# KiCad board SPCInterfaceBoard-v01.kicad_pcb
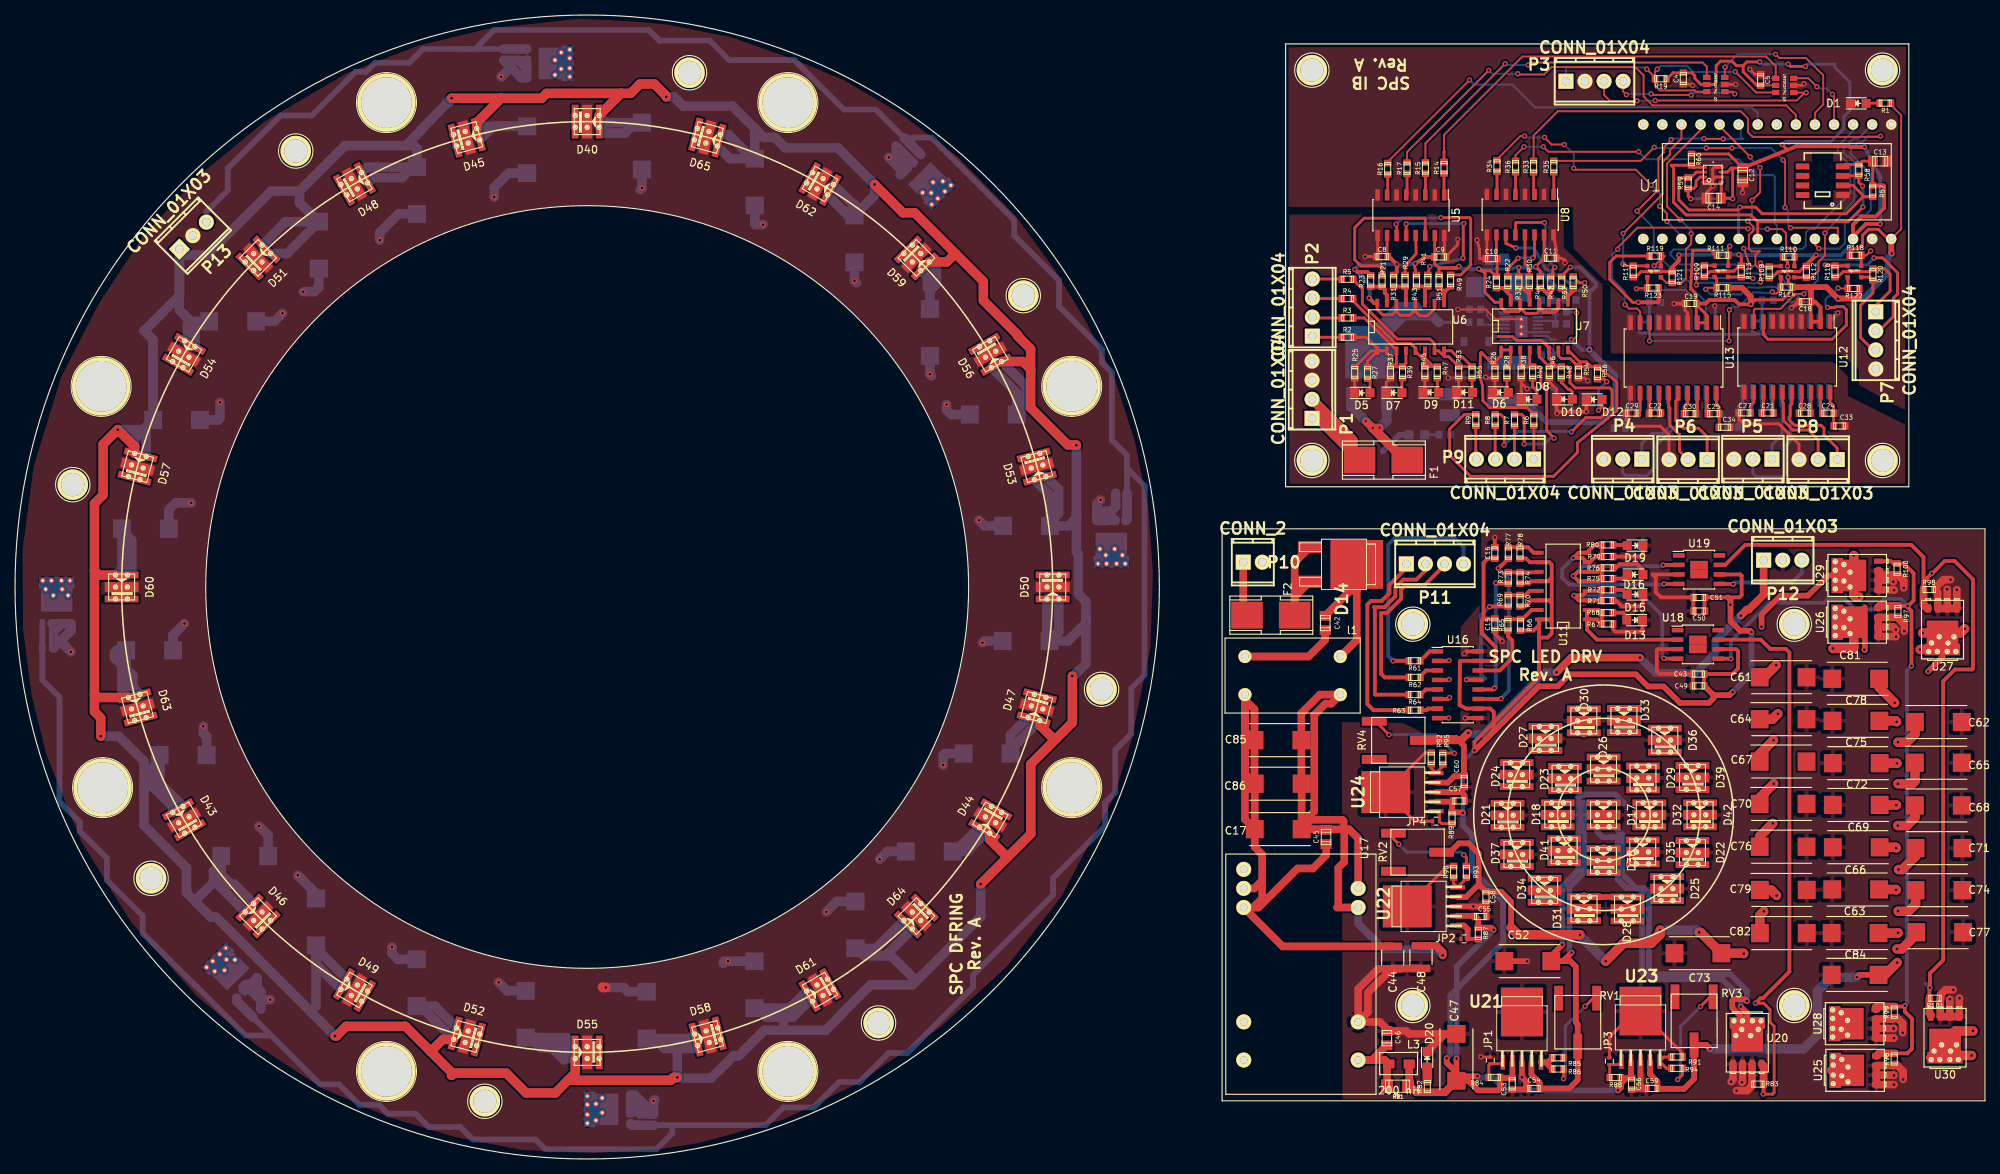
[diagram p0: board, top side]
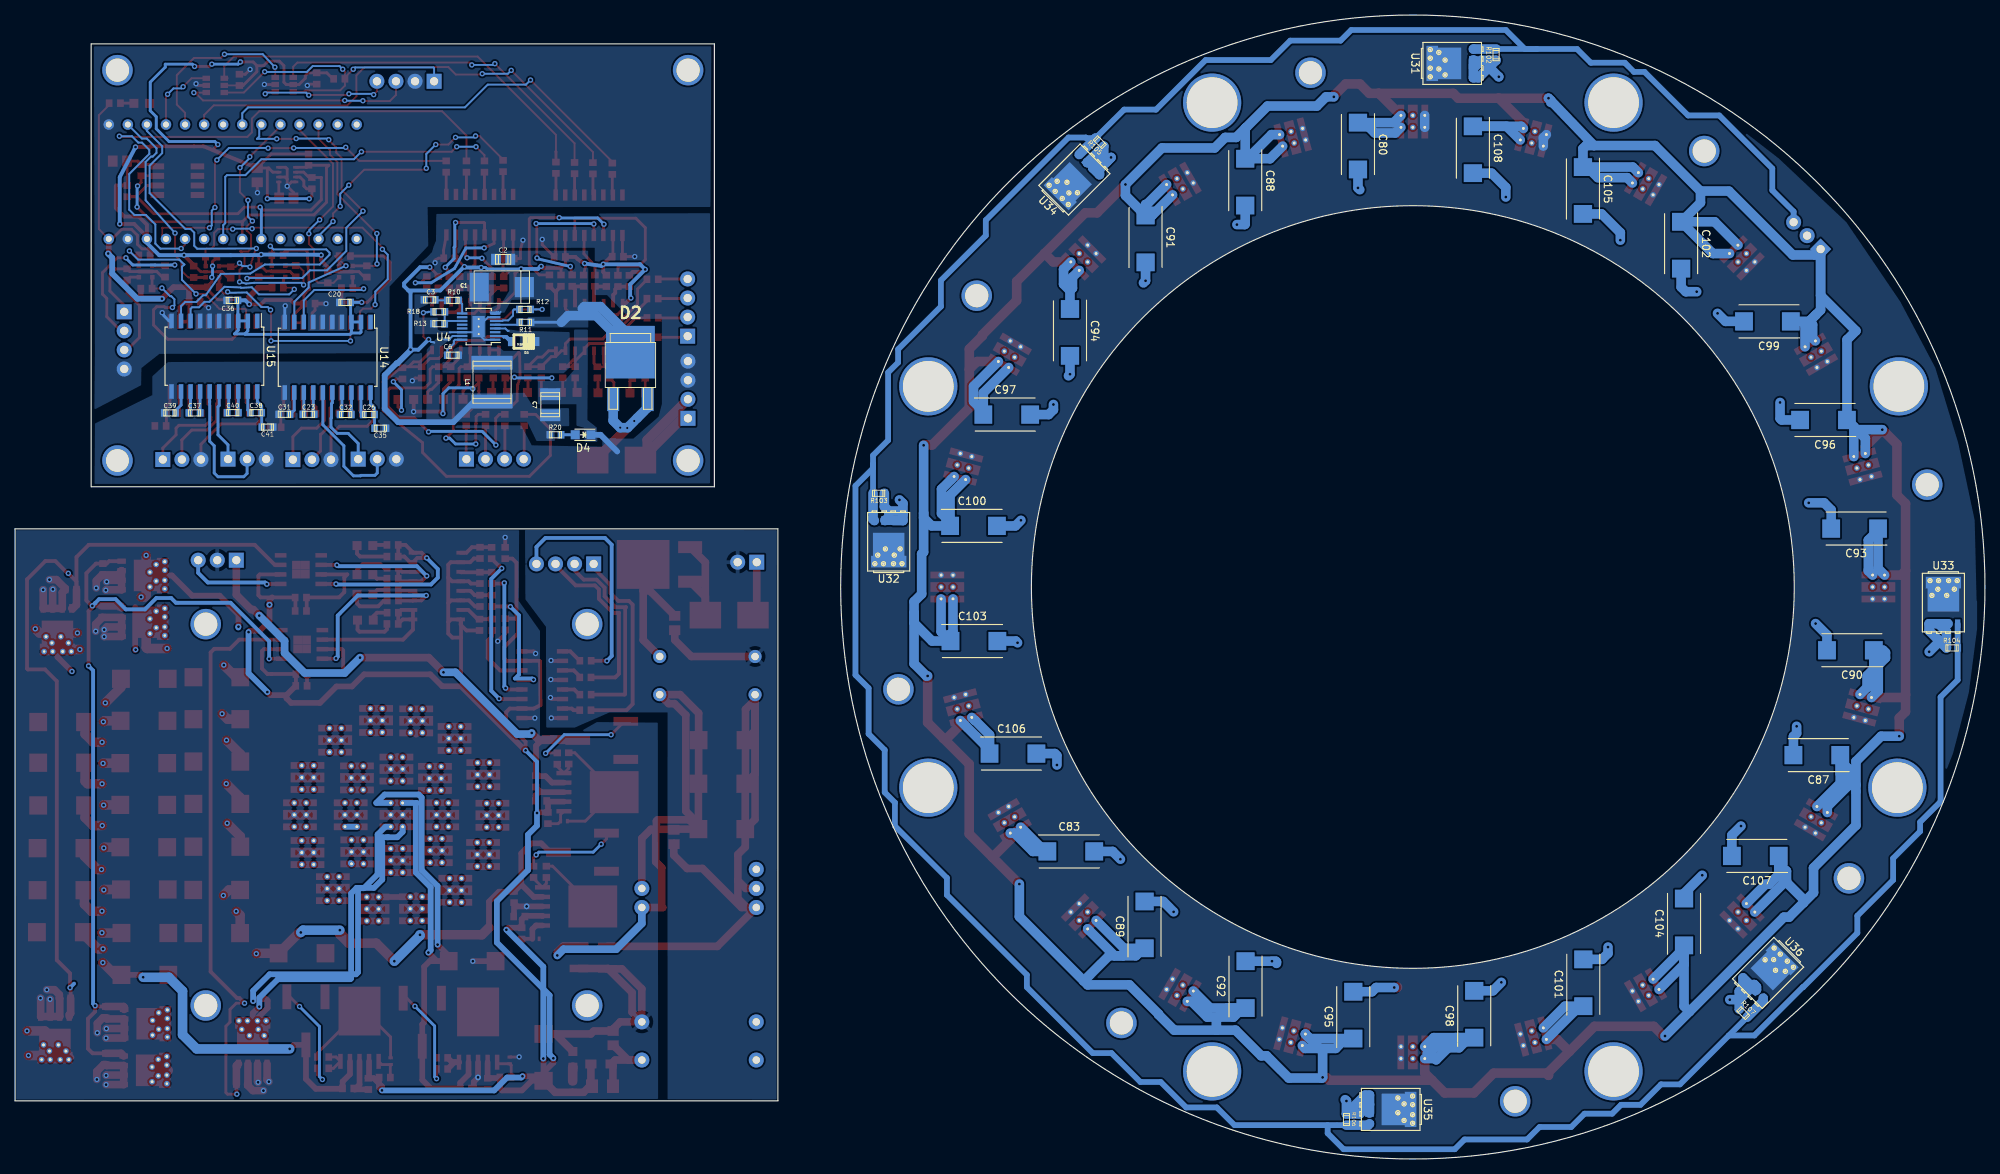
[diagram p1: board, bottom side, seen from below]

Outline 262.36 x 152.4 mm; copper layers: Top, In1.Cu, In2.Cu, Bottom. Coordinates in mm from the lower left corner of the outline.
Outline path: circle c76.2,76.2 r50.8 ; circle c76.2,76.2 r76.2 ; 160.76,83.95 262.36,83.95 262.36,7.75 160.76,7.75 160.76,83.95 ; 169.22,89.55 169.22,148.55 252.22,148.55 252.22,89.55 169.22,89.55

## Placement (name value [footprint] x y rotation side)
C1  22 uF  [c_tant_X]  197.53 116.15 180 bottom
C2  2.2 uF  [c_0805]  197.35 119.85 180 bottom
C3  470 pF  [c_0603]  207.15 114.45 180 bottom
C4  0.1 uF 25V  [c_0603]  222.18 143.94 90 top
C5  0.1 uF 25V  [c_0603]  232.47 143.75 270 top
C6  0.22 uF  [c_0603]  204.04 107.08 180 bottom
C7  10 uF  [c_1210]  191.08 100.48 270 bottom
C8  0.1 uF 25V  [c_0603]  182.08 120.21 0 top
C9  0.1 uF 25V  [c_0603]  189.81 120.17 0 top
C10  0.1 uF 25V  [c_0603]  196.63 119.94 0 top
C11  0.1 uF 25V  [c_0603]  204.51 120.01 0 top
C12  100nF 50V X7R  [c_0805]  230.1 131.06 270 top
C13  100nF 50V X7R  [c_0805]  248.39 132.93 0 top
C14  100nF 50V X7R  [c_0805]  226.23 128 180 top
C15  0.1 uF 25V  [c_0603]  197.08 71.23 90 top
C16  0.1 uF 25V  [c_0603]  197.08 80.73 90 top
C17  15uF 63V Tant  [TantalC_SizeD_EIA-7343_Reflow]  168.23 43.94 180 top
C18  0.1 uF 25V  [c_0603]  238.44 114.2 180 top
C19  0.1 uF 25V  [c_0603]  223.16 113.96 180 top
C20  0.1 uF 25V  [c_0603]  218.41 114.12 0 bottom
C21  0.1 uF 25V  [c_0603]  233.43 99.38 0 top
C22  0.1 uF 25V  [c_0603]  218.45 99.37 0 top
C23  0.1 uF 25V  [c_0603]  223.27 99.21 180 bottom
C24  0.1 uF 25V  [c_0603]  241.45 99.36 0 top
C25  0.1 uF 25V  [c_0603]  226.21 99.29 0 top
C26  0.1 uF 25V  [c_0603]  215.23 99.18 180 bottom
C27  0.1 uF 25V  [c_0603]  230.37 99.39 0 top
C28  0.1 uF 25V  [c_0603]  238.34 99.36 0 top
C29  0.1 uF 25V  [c_0603]  215.34 99.37 0 top
C30  0.1 uF 25V  [c_0603]  223.04 99.29 0 top
C31  0.1 uF 25V  [c_0603]  226.48 99.21 180 bottom
C32  0.1 uF 25V  [c_0603]  218.32 99.18 180 bottom
C33  0.1 uF 25V  [c_0603]  242.99 97.65 180 top
C34  0.1 uF 25V  [c_0603]  227.68 97.48 180 top
C35  0.1 uF 25V  [c_0603]  213.71 97.35 0 bottom
C36  0.1 uF 25V  [c_0603]  233.42 114.38 0 bottom
C37  0.1 uF 25V  [c_0603]  238.45 99.4 180 bottom
C38  0.1 uF 25V  [c_0603]  230.26 99.42 180 bottom
C39  0.1 uF 25V  [c_0603]  241.73 99.4 180 bottom
C40  0.1 uF 25V  [c_0603]  233.36 99.42 180 bottom
C41  0.1 uF 25V  [c_0603]  228.73 97.5 0 bottom
C42  1 uF 100V  [c_0805]  174.5 71.4 270 top
C43  4.7 uF 10V  [c_0603]  224.2 64.6 180 top
C44  10 nF Ceramic  [C_1210]  183.48 26.82 270 top
C45  1 uF 100V  [c_0805]  174.6 42.9 270 top
C46  1uF Ceramic  [c_0805]  182.7 16.1 270 top
C47  220uF 10V Tant  [TantalC_SizeD_EIA-7343_Reflow]  191.96 13.54 90 top
C48  10 nF Ceramic  [C_1210]  187.25 26.88 270 top
C49  0.1 uF 25V  [c_0603]  224.22 63.03 0 top
C50  4.7 uF 10V  [c_0603]  224.3 73 180 top
C51  0.1 uF 25V  [c_0603]  224.3 74.8 0 top
C52  330 uF 10V  [TantalC_SizeD_EIA-7343_Reflow]  201.47 26.36 180 top
C53  4.7 uF 10V  [c_0603]  199.4 10 270 top
C54  1uF 10V  [c_0603]  202.3 9.4 180 top
C55  4.7 uF 10V  [c_0603]  195.2 32.3 0 top
C56  4.7 uF 10V  [c_0603]  215.3 10 270 top
C57  4.7 uF 10V  [c_0603]  192.3 47.7 0 top
C58  1uF 10V  [c_0603]  195.9 34.9 270 top
C59  1uF 10V  [c_0603]  218 9.4 180 top
C60  1uF 10V  [c_0603]  193 50.3 270 top
C61  330 uF 10V  [TantalC_SizeD_EIA-7343_Reflow]  235.48 64.18 0 top
C62  330 uF 10V  [TantalC_SizeD_EIA-7343_Reflow]  256.15 58.21 0 top
C63  330 uF 10V  [TantalC_SizeD_EIA-7343_Reflow]  245.06 30.1 180 top
C64  330 uF 10V  [TantalC_SizeD_EIA-7343_Reflow]  235.48 58.59 0 top
C65  330 uF 10V  [TantalC_SizeD_EIA-7343_Reflow]  256.15 52.79 0 top
C66  330 uF 10V  [TantalC_SizeD_EIA-7343_Reflow]  245.14 35.91 180 top
C67  330 uF 10V  [TantalC_SizeD_EIA-7343_Reflow]  235.48 52.95 0 top
C68  330 uF 10V  [TantalC_SizeD_EIA-7343_Reflow]  256.15 47.1 0 top
C69  330 uF 10V  [TantalC_SizeD_EIA-7343_Reflow]  245.21 41.53 180 top
C70  330 uF 10V  [TantalC_SizeD_EIA-7343_Reflow]  235.48 47.3 0 top
C71  330 uF 10V  [TantalC_SizeD_EIA-7343_Reflow]  256.23 41.41 0 top
C72  330 uF 10V  [TantalC_SizeD_EIA-7343_Reflow]  245.21 47.17 180 top
C73  330 uF 10V  [TantalC_SizeD_EIA-7343_Reflow]  224.13 27.41 180 top
C74  330 uF 10V  [TantalC_SizeD_EIA-7343_Reflow]  256.23 35.81 0 top
C75  330 uF 10V  [TantalC_SizeD_EIA-7343_Reflow]  245.21 52.73 180 top
C76  330 uF 10V  [TantalC_SizeD_EIA-7343_Reflow]  235.48 41.6 0 top
C77  330 uF 10V  [TantalC_SizeD_EIA-7343_Reflow]  256.33 30.21 0 top
C78  330 uF 10V  [TantalC_SizeD_EIA-7343_Reflow]  245.17 58.37 180 top
C79  330 uF 10V  [TantalC_SizeD_EIA-7343_Reflow]  235.5 35.84 0 top
C80  330 uF 10V  [TantalC_SizeD_EIA-7343_Reflow]  83.51 134.95 270 bottom
C81  330 uF 10V  [TantalC_SizeD_EIA-7343_Reflow]  245.14 63.97 180 top
C82  330 uF 10V  [TantalC_SizeD_EIA-7343_Reflow]  235.5 30.09 0 top
C83  330 uF 10V  [TantalC_SizeD_EIA-7343_Reflow]  121.75 40.97 180 bottom
C84  330 uF 10V  [TantalC_SizeD_EIA-7343_Reflow]  245.06 24.53 180 top
C85  15uF 63V Tant  [TantalC_SizeD_EIA-7343_Reflow]  168.2 55.8 180 top
C86  15uF 63V Tant  [TantalC_SizeD_EIA-7343_Reflow]  168.23 49.99 180 top
C87  330 uF 10V  [TantalC_SizeD_EIA-7343_Reflow]  22.39 53.8 0 bottom
C88  330 uF 10V  [TantalC_SizeD_EIA-7343_Reflow]  98.52 130.13 270 bottom
C89  330 uF 10V  [TantalC_SizeD_EIA-7343_Reflow]  111.93 31.19 90 bottom
C90  330 uF 10V  [TantalC_SizeD_EIA-7343_Reflow]  17.92 67.77 0 bottom
C91  330 uF 10V  [TantalC_SizeD_EIA-7343_Reflow]  111.8 122.57 270 bottom
C92  330 uF 10V  [TantalC_SizeD_EIA-7343_Reflow]  98.48 23.23 90 bottom
C93  330 uF 10V  [TantalC_SizeD_EIA-7343_Reflow]  17.36 83.98 0 bottom
C94  330 uF 10V  [TantalC_SizeD_EIA-7343_Reflow]  121.86 110.11 270 bottom
C95  330 uF 10V  [TantalC_SizeD_EIA-7343_Reflow]  84.13 19.16 90 bottom
C96  330 uF 10V  [TantalC_SizeD_EIA-7343_Reflow]  21.5 98.45 0 bottom
C97  330 uF 10V  [TantalC_SizeD_EIA-7343_Reflow]  130.28 99.17 180 bottom
C98  330 uF 10V  [TantalC_SizeD_EIA-7343_Reflow]  68.02 19.28 90 bottom
C99  330 uF 10V  [TantalC_SizeD_EIA-7343_Reflow]  28.98 111.59 0 bottom
C100  330 uF 10V  [TantalC_SizeD_EIA-7343_Reflow]  134.71 84.34 180 bottom
C101  330 uF 10V  [TantalC_SizeD_EIA-7343_Reflow]  53.49 23.47 90 bottom
C102  330 uF 10V  [TantalC_SizeD_EIA-7343_Reflow]  40.47 121.74 270 bottom
C103  330 uF 10V  [TantalC_SizeD_EIA-7343_Reflow]  134.65 69 180 bottom
C104  330 uF 10V  [TantalC_SizeD_EIA-7343_Reflow]  40.08 31.58 90 bottom
C105  330 uF 10V  [TantalC_SizeD_EIA-7343_Reflow]  53.54 129.02 270 bottom
C106  330 uF 10V  [TantalC_SizeD_EIA-7343_Reflow]  129.45 54.01 180 bottom
C107  330 uF 10V  [TantalC_SizeD_EIA-7343_Reflow]  30.59 40.37 0 bottom
C108  330 uF 10V  [TantalC_SizeD_EIA-7343_Reflow]  68.2 134.45 270 bottom
D1  2 mA Blue  [LED_0805]  245.48 140.63 0 top
D2  SCHDPAK  [d-pak]  180.4 104.36 180 bottom
D3  MBR140  [SOD-123FL]  194.61 108.9 0 bottom
D4  2 mA Grn  [LED_0805]  186.7 96.48 0 bottom
D5  2 mA Org  [LED_0805]  179.41 102.06 0 top
D6  2 mA Org  [LED_0805]  197.83 102.12 0 top
D7  2 mA Org  [LED_0805]  183.66 102.07 0 top
D8  2 mA Org  [LED_0805]  201.64 101.21 0 top
D9  2 mA Org  [LED_0805]  188.56 102.12 0 top
D10  2 mA Org  [LED_0805]  206.35 101.21 0 top
D11  2 mA Org  [LED_0805]  193.06 102.12 0 top
D12  2 mA Org  [LED_0805]  210.31 101.18 0 top
D13  2 mA Org  [LED_0805]  215.7 71.79 180 top
D14  SCHDPAK  [d-pak]  175.57 79.21 270 top
D15  2 mA Org  [LED_0805]  215.76 75.22 180 top
D16  2 mA Org  [LED_0805]  215.76 77.85 0 top
D17  Cree_XP-L_HI  [Cree_XP-L_HI-vias-4]  211.56 45.85 90 top
D18  Cree_XP-L_HI  [Cree_XP-L_HI-vias-4]  205.46 45.85 90 top
D19  2 mA Org  [LED_0805]  215.76 81.72 180 top
D20  2 mA Blue  [LED_0805]  188.06 13.27 270 top
D21  Cree_XP-L_HI  [Cree_XP-L_HI-vias-4]  198.77 45.79 90 top
D22  Cree_XP-L_HI  [Cree_XP-L_HI-vias-4]  223.41 40.82 90 top
D23  Cree_XP-L_HI  [Cree_XP-L_HI-vias-4]  206.43 50.7 90 top
D24  Cree_XP-L_HI  [Cree_XP-L_HI-vias-4]  199.99 51.2 90 top
D25  Cree_XP-L_HI  [Cree_XP-L_HI-vias-4]  220.03 36.01 90 top
D26  Cree_XP-L_HI  [Cree_XP-L_HI-vias-4]  211.56 51.95 90 top
D27  Cree_XP-L_HI  [Cree_XP-L_HI-vias-4]  203.82 56.02 90 top
D28  Cree_XP-L_HI  [Cree_XP-L_HI-vias-4]  214.74 33.31 90 top
D29  Cree_XP-L_HI  [Cree_XP-L_HI-vias-4]  216.82 50.76 90 top
D30  Cree_XP-L_HI  [Cree_XP-L_HI-vias-4]  208.93 58.37 90 top
D31  Cree_XP-L_HI  [Cree_XP-L_HI-vias-4]  208.96 33.33 90 top
D32  Cree_XP-L_HI  [Cree_XP-L_HI-vias-4]  217.65 45.85 90 top
D33  Cree_XP-L_HI  [Cree_XP-L_HI-vias-4]  214.27 58.42 90 top
D34  Cree_XP-L_HI  [Cree_XP-L_HI-vias-4]  203.72 35.79 90 top
D35  Cree_XP-L_HI  [Cree_XP-L_HI-vias-4]  216.78 40.91 90 top
D36  Cree_XP-L_HI  [Cree_XP-L_HI-vias-4]  219.72 55.8 90 top
D37  Cree_XP-L_HI  [Cree_XP-L_HI-vias-4]  200.03 40.57 90 top
D38  Cree_XP-L_HI  [Cree_XP-L_HI-vias-4]  211.56 39.75 90 top
D39  Cree_XP-L_HI  [Cree_XP-L_HI-vias-4]  223.41 50.82 90 top
D40  Cree_XP-L_HI  [Cree_XP-L_HI-vias-4]  76.2 138.2 0 top
D41  Cree_XP-L_HI  [Cree_XP-L_HI-vias-4]  206.31 41.07 90 top
D42  Cree_XP-L_HI  [Cree_XP-L_HI-vias-4]  224.41 45.85 90 top
D43  Cree_XP-L_HI  [Cree_XP-L_HI-vias-4]  22.51 45.2 120 top
D44  Cree_XP-L_HI  [Cree_XP-L_HI-vias-4]  129.89 45.2 240 top
D45  Cree_XP-L_HI  [Cree_XP-L_HI-vias-4]  60.16 136.08 15 top
D46  Cree_XP-L_HI  [Cree_XP-L_HI-vias-4]  32.36 32.36 135 top
D47  Cree_XP-L_HI  [Cree_XP-L_HI-vias-4]  136.08 60.16 255 top
D48  Cree_XP-L_HI  [Cree_XP-L_HI-vias-4]  45.2 129.89 30 top
D49  Cree_XP-L_HI  [Cree_XP-L_HI-vias-4]  45.2 22.51 150 top
D50  Cree_XP-L_HI  [Cree_XP-L_HI-vias-4]  138.2 76.2 270 top
D51  Cree_XP-L_HI  [Cree_XP-L_HI-vias-4]  32.36 120.04 45 top
D52  Cree_XP-L_HI  [Cree_XP-L_HI-vias-4]  60.16 16.32 165 top
D53  Cree_XP-L_HI  [Cree_XP-L_HI-vias-4]  136.08 92.24 285 top
D54  Cree_XP-L_HI  [Cree_XP-L_HI-vias-4]  22.51 107.2 60 top
D55  Cree_XP-L_HI  [Cree_XP-L_HI-vias-4]  76.2 14.2 180 top
D56  Cree_XP-L_HI  [Cree_XP-L_HI-vias-4]  129.89 107.2 300 top
D57  Cree_XP-L_HI  [Cree_XP-L_HI-vias-4]  16.32 92.24 75 top
D58  Cree_XP-L_HI  [Cree_XP-L_HI-vias-4]  92.24 16.32 195 top
D59  Cree_XP-L_HI  [Cree_XP-L_HI-vias-4]  120.04 120.04 315 top
D60  Cree_XP-L_HI  [Cree_XP-L_HI-vias-4]  14.2 76.2 90 top
D61  Cree_XP-L_HI  [Cree_XP-L_HI-vias-4]  107.2 22.51 210 top
D62  Cree_XP-L_HI  [Cree_XP-L_HI-vias-4]  107.2 129.89 330 top
D63  Cree_XP-L_HI  [Cree_XP-L_HI-vias-4]  16.32 60.16 105 top
D64  Cree_XP-L_HI  [Cree_XP-L_HI-vias-4]  120.04 32.36 225 top
D65  Cree_XP-L_HI  [Cree_XP-L_HI-vias-4]  92.2 136.08 345 top
F1  FUSE  [Fuse_SMD]  182.24 93.11 90 top
F2  10A  [Fuse_SMD]  167.25 72.45 90 top
JP1  Jumper_NO_Small  [R_0402]  196.47 13.13 270 top
JP2  Jumper_NO_Small  [R_0402]  193.01 29.33 0 top
JP3  Jumper_NO_Small  [R_0402]  212.34 13.03 270 top
JP4  Jumper_NO_Small  [R_0402]  189.25 45.01 0 top
l1  -  [51105C]  170.15 64.4 0 top
L1  10uH  [c_2220]  198.83 103.49 90 bottom
L3  200 nH  [IHLP-1212BZ-11]  184.32 12.66 0 top
NOREF  -  [1pin]  248.72 93.05 180 top
NOREF#2  -  [1pin#2]  172.72 93.05 180 top
NOREF#3  -  [1pin#2]  172.72 145.05 180 top
NOREF#4  -  [1pin#2]  248.72 145.05 180 top
NOREF#5  -  [1pin#2]  186.16 20.45 90 top
NOREF#6  -  [1pin#2]  186.16 71.25 90 top
NOREF#7  -  [1pin#2]  236.96 71.25 90 top
NOREF#8  -  [1pin#2]  236.96 20.45 90 top
NOREF#9  -  [1pin#2]  134.28 115.01 0 top
NOREF#10  -  [1pin#2]  89.83 144.71 0 top
NOREF#11  -  [qtr-clearancehole]  11.67 49.47 0 top
NOREF#12  -  [qtr-clearancehole]  11.47 102.93 0 top
NOREF#13  -  [qtr-clearancehole]  49.47 140.73 0 top
NOREF#14  -  [qtr-clearancehole]  140.73 49.47 0 top
NOREF#15  -  [qtr-clearancehole]  102.93 140.73 0 top
NOREF#16  -  [qtr-clearancehole]  102.93 11.67 0 top
NOREF#17  -  [qtr-clearancehole]  49.47 11.67 0 top
NOREF#18  -  [qtr-clearancehole]  140.73 102.93 0 top
NOREF#19  -  [1pin#2]  18.12 37.39 0 top
NOREF#20  -  [1pin#2]  115.01 18.12 0 top
NOREF#21  -  [1pin#2]  37.39 134.28 0 top
NOREF#22  -  [1pin#2]  7.69 89.83 0 top
NOREF#23  -  [1pin#2]  62.57 7.69 0 top
NOREF#24  -  [1pin#2]  144.71 62.57 0 top
P1  CONN_01X04  [mpt_0,5%2f4-2,54]  172.74 102.48 270 top
P2  CONN_01X04  [mpt_0,5%2f4-2,54]  172.78 113.43 270 top
P3  CONN_01X04  [mpt_0,5%2f4-2,54]  210.36 143.57 180 top
P4  CONN_01X03  [mpt_0,5%2f3-2,54]  214.12 93.23 0 top
P5  CONN_01X03  [mpt_0,5%2f3-2,54]  231.45 93.23 0 top
P6  CONN_01X03  [mpt_0,5%2f3-2,54]  222.82 93.17 0 top
P7  CONN_01X04  [mpt_0,5%2f4-2,54]  247.82 109.05 90 top
P8  CONN_01X03  [mpt_0,5%2f3-2,54]  240.14 93.18 0 top
P9  CONN_01X04  [mpt_0,5%2f4-2,54]  198.43 93.23 0 top
P10  CONN_2  [mpt_0,5%2f2-2,54]  164.85 79.5 180 top
P11  CONN_01X04  [mpt_0,5%2f4-2,54]  189.1 79.28 180 top
P12  CONN_01X03  [mpt_0,5%2f3-2,54]  235.42 79.77 180 top
P13  CONN_01X03  [mpt_0,5%2f3-2,54]  23.69 123.01 225 top
Q1  BSS138DW  [SOT363]  236.08 118.2 180 top
Q2  BSS138DW  [SOT363]  227.25 118.25 180 top
Q3  BSS138DW  [SOT363]  218.3 118.21 180 top
Q4  BSS138DW  [SOT363]  244.97 118.23 180 top
R1  1.2k  [r_0603]  249.07 140.66 180 top
R2  PTC 29 mA  [r_0603]  177.45 109.47 0 top
R3  PTC 29 mA  [r_0603]  177.45 112.04 0 top
R4  PTC 29 mA  [r_0603]  177.45 114.62 0 top
R5  PTC 29 mA  [r_0603]  177.45 117.2 0 top
R6  PTC 29 mA  [r_0603]  202.27 98.44 90 top
R7  PTC 29 mA  [r_0603]  199.7 98.44 90 top
R8  PTC 29 mA  [r_0603]  197.12 98.44 90 top
R9  PTC 29 mA  [r_0603]  194.54 98.44 90 top
R10  16.2k  [r_0603]  204.04 114.39 0 bottom
R11  10k  [r_0603]  194.39 111.46 0 bottom
R12  40.2k  [r_0603]  194.44 113.18 0 bottom
R13  102k  [r_0603]  205.89 111.27 180 bottom
R14  120  [r_0603]  190.32 132.06 90 top
R15  120  [r_0603]  187.84 132.01 90 top
R16  120  [r_0603]  182.81 131.92 90 top
R17  120  [r_0603]  185.39 131.98 90 top
R18  536k  [r_0603]  205.87 112.86 180 bottom
R19  10k  [r_0603]  219.17 143.9 180 top
R20  1.6k  [r_0603]  190.38 96.48 180 bottom
R21  1k  [r_0603]  182.06 116.97 90 top
R22  1k  [r_0603]  198.81 116.79 90 top
R23  10k  [r_0603]  180.54 116.97 270 top
R24  10k  [r_0603]  197.29 116.79 270 top
R25  10k  [r_0603]  178.42 104.75 270 top
R26  10k  [r_0603]  197.1 104.79 270 top
R27  1.6k  [r_0603]  180.13 104.73 270 top
R28  1.6k  [r_0603]  198.69 104.79 270 top
R29  1k  [r_0603]  185.12 117 90 top
R30  1k  [r_0603]  201.67 116.79 90 top
R31  10k  [r_0603]  183.6 116.99 270 top
R32  10k  [r_0603]  200.27 116.79 270 top
R33  120  [r_0603]  202.24 132.21 90 top
R34  120  [r_0603]  197.36 132.29 90 top
R35  120  [r_0603]  204.93 132.21 90 top
R36  120  [r_0603]  199.84 132.21 90 top
R37  10k  [r_0603]  183.18 104.78 270 top
R38  10k  [r_0603]  200.59 104.79 270 top
R39  1.6k  [r_0603]  184.79 104.79 270 top
R40  1.6k  [r_0603]  202.11 104.79 270 top
R41  1k  [r_0603]  188.16 117.01 90 top
R42  1k  [r_0603]  204.53 116.79 90 top
R43  10k  [r_0603]  186.64 117 270 top
R44  10k  [r_0603]  203.13 116.79 270 top
R45  10k  [r_0603]  187.76 104.8 270 top
R46  10k  [r_0603]  204.34 104.79 270 top
R47  1.6k  [r_0603]  189.41 104.8 270 top
R48  1.6k  [r_0603]  205.92 104.79 270 top
R49  1k  [r_0603]  191.18 117.02 90 top
R50  1k  [r_0603]  207.51 116.79 90 top
R51  10k  [r_0603]  189.65 117.01 270 top
R52  10k  [r_0603]  205.99 116.79 270 top
R53  10k  [r_0603]  192.27 104.8 270 top
R54  10k  [r_0603]  208.21 104.79 270 top
R55  1.6k  [r_0603]  194.05 104.8 270 top
R56  1.6k  [r_0603]  210.75 104.66 270 top
R57  4.7k  [r_0603]  247.41 128.94 90 top
R58  4.7k  [r_0603]  245.56 131.74 90 top
R59  4.7k  [r_0603]  222.82 130 90 top
R60  4.7k  [r_0603]  223.27 133.14 270 top
R61  120  [r_0603]  186.38 66.37 180 top
R62  120  [r_0603]  186.4 64.16 180 top
R63  120  [r_0603]  186.4 59.79 180 top
R64  120  [r_0603]  186.38 61.86 180 top
R65  1k  [r_0603]  198.82 71.17 270 top
R66  10k  [r_0603]  200.49 71.16 90 top
R67  10k  [r_0603]  212.08 71.28 0 top
R68  1.6k  [r_0603]  212.05 72.78 0 top
R69  1k  [r_0603]  198.86 74.36 270 top
R70  10k  [r_0603]  200.44 74.36 90 top
R71  10k  [r_0603]  212.04 74.39 0 top
R72  1.6k  [r_0603]  212.06 75.83 0 top
R73  1k  [r_0603]  198.87 77.41 270 top
R74  10k  [r_0603]  200.44 77.41 90 top
R75  10k  [r_0603]  212.08 77.31 0 top
R76  1.6k  [r_0603]  212.06 78.76 0 top
R77  1k  [r_0603]  198.88 80.72 270 top
R78  10k  [r_0603]  200.43 80.75 90 top
R79  10k  [r_0603]  212.08 80.26 0 top
R80  1.6k  [r_0603]  212.08 81.81 0 top
R81  0.15  [r_1206]  184.12 9.69 180 top
R82  1.2k  [r_0603]  188.09 9.64 90 top
R83  100k  [r_0603]  232.12 9.97 0 top
R84  10k  [r_0603]  197.03 10.87 180 top
R85  50k  [r_0603]  205.49 13.47 0 top
R86  200k  [r_0603]  205.49 11.99 0 top
R87  10k  [r_0603]  194.88 30.05 270 top
R88  10k  [r_0603]  213.13 10.85 180 top
R89  10k  [r_0603]  191.38 45.42 270 top
R90  50k  [r_0603]  191.59 38.26 90 top
R91  50k  [r_0603]  221.33 13.59 0 top
R92  50k  [r_0603]  188.61 53.37 90 top
R93  200k  [r_0603]  193.29 38.26 90 top
R94  200k  [r_0603]  221.33 12.08 0 top
R95  200k  [r_0603]  190.15 53.34 90 top
R96  100k  [r_0603]  250.27 13.32 90 top
R97  100k  [r_0603]  250.76 72.94 90 top
R98  100k  [r_0603]  254.93 75.86 180 top
R99  100k  [r_0603]  250.28 19.56 90 top
R100  100k  [r_0603]  250.65 78.57 90 top
R101  100k  [r_0603]  255.7 21.41 180 top
R102  100k  [r_0603]  65.12 147.12 90 bottom
R103  100k  [r_0603]  147.34 88.69 0 bottom
R104  100k  [r_0603]  4.39 68.08 180 bottom
R105  100k  [r_0603]  117.89 135.46 45 bottom
R106  100k  [r_0603]  85.04 5.26 270 bottom
R107  100k  [r_0603]  32.2 19.43 225 bottom
R108  10k  [r_0603]  233.62 118.12 90 top
R109  10k  [r_0603]  224.98 118.27 90 top
R110  10k  [r_0603]  236.23 120.19 0 top
R111  10k  [r_0603]  227.41 120.39 0 top
R112  10k  [r_0603]  238.58 118.19 270 top
R113  10k  [r_0603]  229.89 118.24 270 top
R114  10k  [r_0603]  235.92 116.15 180 top
R115  10k  [r_0603]  227.38 116.06 180 top
R116  10k  [r_0603]  242.38 118.24 90 top
R117  10k  [r_0603]  215.5 118.23 90 top
R118  10k  [r_0603]  245.12 120.39 0 top
R119  10k  [r_0603]  218.44 120.29 0 top
R120  10k  [r_0603]  247.44 117.83 270 top
R121  10k  [r_0603]  220.7 117.47 270 top
R122  10k  [r_0603]  244.85 115.96 180 top
R123  10k  [r_0603]  218.14 116.02 180 top
RV1  POT 250k  [BOURNS3361P]  208.12 18.22 180 top
RV2  POT 250k  [BOURNS3361P]  186.79 40.87 270 top
RV3  POT 250k  [BOURNS3361P]  223.62 18.4 180 top
RV4  POT 250k  [BOURNS3361P]  184.22 55.77 270 top
U1  Teensy_3.1  [Teensy-3.1]  247.33 137.81 180 top
U2  74LVC1G157  [SC-74]  226.51 143.14 90 top
U3  74LVC1G157  [SC-74]  235.69 143.02 90 top
U4  LT3695  [MSOP-16-1EP-VIA_3x4mm_Pitch0.5mm]  200.61 110.89 0 bottom
U5  ACSL-6400  [SOIC-16_3.9x9.9mm_Pitch1.27mm]  185.91 125.73 270 top
U6  MMPQ2907A  [SO-16-N]  185.87 110.85 0 top
U7  MMPQ2907A  [SO-16-N]  202.37 110.95 0 top
U8  ACSL-6400  [SOIC-16_3.9x9.9mm_Pitch1.27mm]  200.46 125.8 270 top
U9  -  [BME280]  226.1 131.14 180 top
U10  SHT1X TEMP / HUM  [SHT1X]  240.73 130.33 180 top
U11  MMPQ2907A  [SO-16-N]  206.18 76.32 90 top
U12  ADM3251E  [SOIC-20_7.5x12.8mm_Pitch1.27mm]  236.02 106.84 270 top
U13  ADM3251E  [SOIC-20_7.5x12.8mm_Pitch1.27mm]  220.88 106.7 270 top
U14  ADM3251E  [SOIC-20_7.5x12.8mm_Pitch1.27mm]  220.73 106.81 270 bottom
U15  ADM3251E  [SOIC-20_7.5x12.8mm_Pitch1.27mm]  235.8 106.95 270 bottom
U16  ACSL-6400  [SOIC-16_3.9x9.9mm_Pitch1.27mm]  192.15 63.18 0 top
U17  -  [NCS12]  171.26 24.61 270 top
U18  MAQ4124  [SOIC-8-1EP_3.9x4.9mm_Pitch1.27mm]  224.13 68.55 0 top
U19  MAQ4124  [SOIC-8-1EP_3.9x4.9mm_Pitch1.27mm]  224.29 78.51 0 top
U20  HAT2168H  [SOT-669_LFPAK-vias]  230.7 15.49 0 top
U21  MCP1826  [d-pak-5]  200.69 15.99 0 top
U22  MCP1826  [d-pak-5]  189.01 33.65 90 top
U23  MCP1826  [d-pak-5]  216.48 16.1 0 top
U24  MCP1826  [d-pak-5]  186.16 48.87 90 top
U25  HAT2168H  [SOT-669_LFPAK-vias]  245.06 11.81 90 top
U26  HAT2168H  [SOT-669_LFPAK-vias]  245.34 71.51 90 top
U27  HAT2168H  [SOT-669_LFPAK-vias]  256.7 70.53 180 top
U28  HAT2168H  [SOT-669_LFPAK-vias]  245 18.02 90 top
U29  HAT2168H  [SOT-669_LFPAK-vias]  245.34 77.73 90 top
U30  HAT2168H  [SOT-669_LFPAK-vias]  257.04 16.16 180 top
U31  HAT2168H  [SOT-669_LFPAK-vias]  70.96 145.95 90 bottom
U32  HAT2168H  [SOT-669_LFPAK-vias]  146 82.22 0 bottom
U33  HAT2168H  [SOT-669_LFPAK-vias]  5.54 74.13 180 bottom
U34  HAT2168H  [SOT-669_LFPAK-vias]  121.27 130.48 45 bottom
U35  HAT2168H  [SOT-669_LFPAK-vias]  79.15 6.6 270 bottom
U36  HAT2168H  [SOT-669_LFPAK-vias]  28.88 24.78 225 bottom
